# Altium PCB Mother  Board 3D.PcbDoc (part 4 of 4)
Units mil, origin at the board's own origin, x right, y up, seen from the top; angles counter-clockwise.
Board outline 4560 x 3740 mil, 4 copper layers (Signal 1, GND, Power, Signal 2), stack 47.091 mil thick; 315 components, 464 nets, 1669 pads, 719 vias.
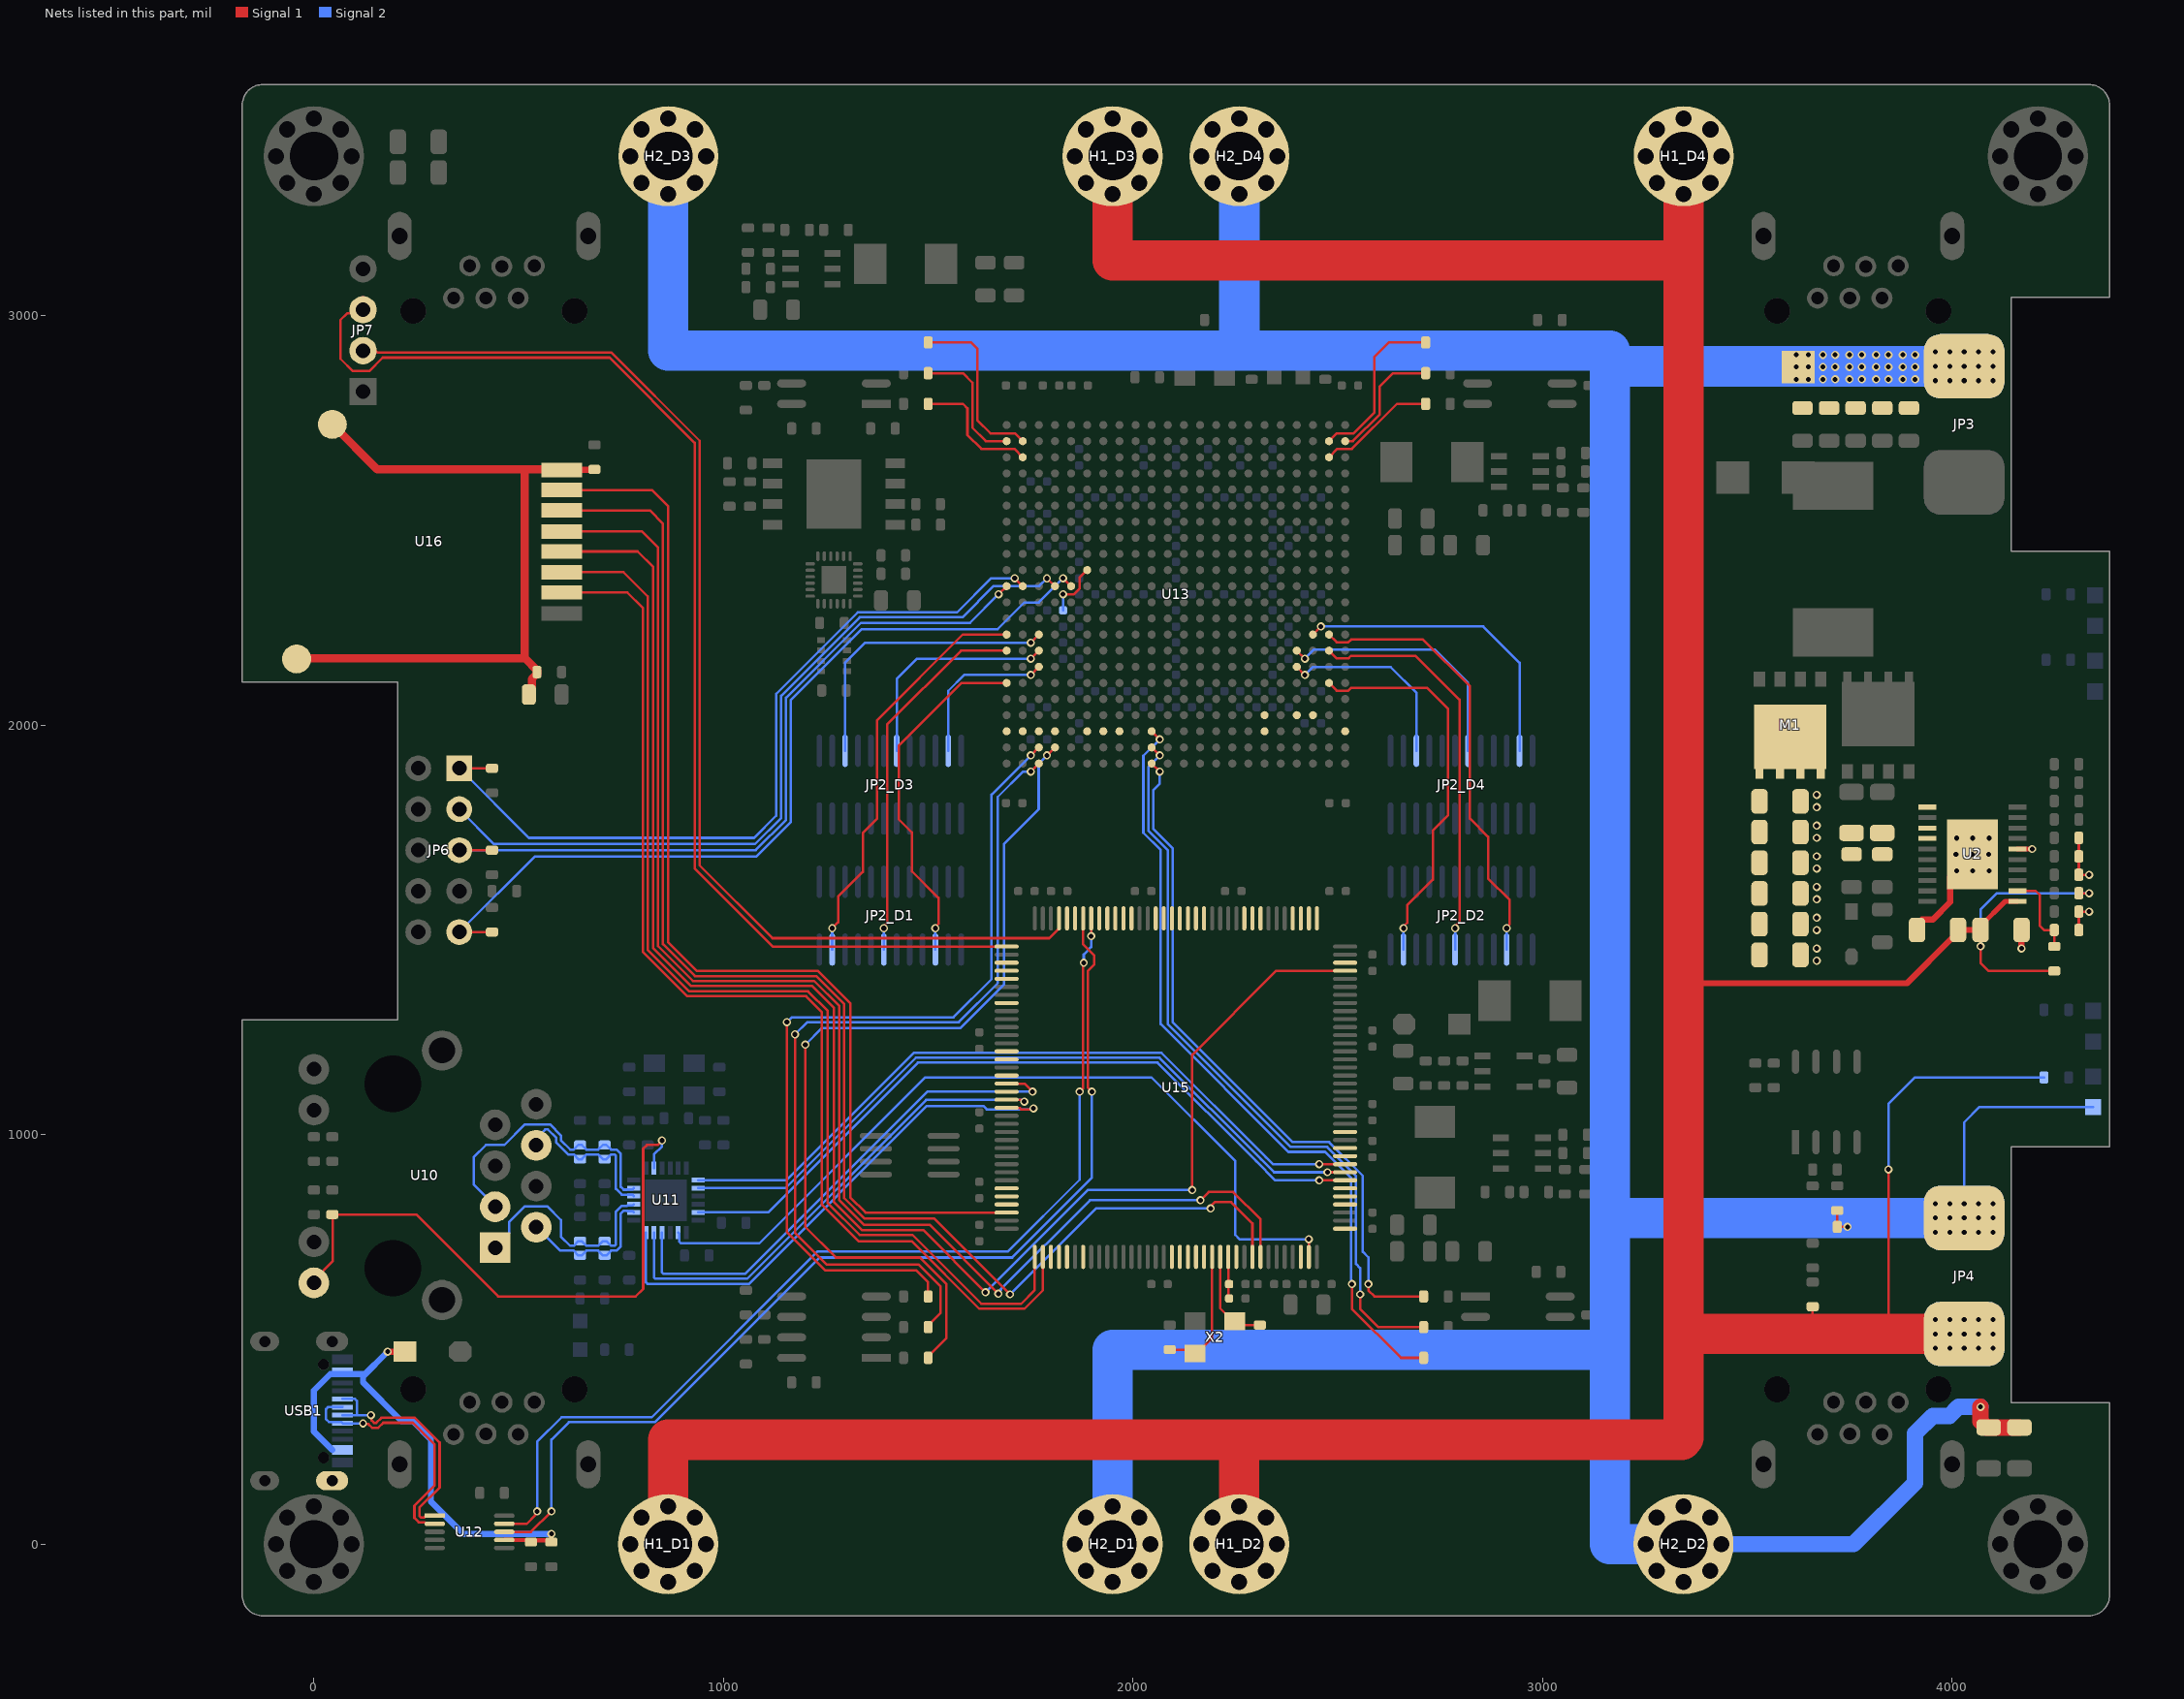
[diagram p6: the nets of this part, all layers, seen from the top]

## Via types
v1: diameter 20, hole 12, Signal 1 to Signal 2, tented both sides, 701 vias
v2: diameter 27.56, hole 27.56, Signal 1 to Signal 2, 10 vias
v3: diameter 20, hole 12, Signal 1 to Signal 2, 8 vias

## Nets (pads, with @x,y where several pads share a name; then routed paths per layer and width w, separated by ;. In a path a pad name is that pad's centre, name@x,y a point inside that pad or via, vN(x,y) a via of type N, cw(c..) or ccw(c..) an arc to the next point about the centre after c; other vN are vias at no path point) (continued)
NetU13_W17: U13.W17
NetU13_W19: U13.W19
NetU13_W20: U13.W20
NetU13_Y1: U13.Y1
NetU13_Y2: U13.Y2
NetU13_Y3: U13.Y3
NetU13_Y4: U13.Y4
NetU13_Y6: U13.Y6
NetU13_Y7: U13.Y7
NetU13_Y8: U13.Y8
NetU13_Y17: U13.Y17
NetU13_Y22: U13.Y22
NetU15_3: U15.3
NetU15_4: U15.4
NetU15_5: U15.5
NetU15_7: U15.7
NetU15_18: U15.18
NetU15_19: U15.19
NetU15_20: U15.20
NetU15_21: U15.21
NetU15_22: U15.22
NetU15_26: U15.26
NetU15_34: U15.34
NetU15_37: U15.37
NetU15_40: U15.40
NetU15_41: U15.41
NetU15_42: U15.42
NetU15_46: U15.46
NetU15_47: U15.47
NetU15_49: U15.49
NetU15_70: U15.70
NetU15_73: U15.73
NetU15_74: U15.74
NetU15_75: U15.75
NetU15_76: U15.76
NetU15_80: U15.80
NetU15_81: U15.81
NetU15_82: U15.82
NetU15_87: U15.87
NetU15_88: U15.88
NetU15_89: U15.89
NetU15_90: U15.90
NetU15_91: U15.91
NetU15_92: U15.92
NetU15_93: U15.93
NetU15_96: U15.96
NetU15_97: U15.97
NetU15_98: U15.98
NetU15_99: U15.99
NetU15_100: U15.100
NetU15_103: U15.103
NetU15_104: U15.104
NetU15_111: U15.111
NetU15_112: U15.112
NetU15_113: U15.113
NetU15_116: U15.116
NetU15_122: U15.122
NetU15_123: U15.123
NetU15_125: U15.125
NetU15_127: U15.127
NetU15_139: U15.139
NetU15_140: U15.140
NetU15_141: U15.141
"NRF CE": U15.2 U16.2 | length 2767.1
  Signal 1 w6: U16.2@605.2,2324.53 765.47,2324.53 803,2287 803,1447.15 912.08,1338.07 1201.93,1338.07 1240,1300 1240,830 1330,740 1460,740 1625,575 1735,575 1780.13,620.13 U15.2@1780.13,701.61
"NRF CSN": U15.1 U16.3 | length 2770.6
  Signal 1 w6: U16.3@605.2,2373.86 756.14,2373.86 815,2315 815,1452.12 917.05,1350.07 1206.9,1350.07 1255,1301.97 1255,833.03 1333.03,755 1461.97,755 1629.97,587 1727,587 1760.44,620.44 U15.1@1760.44,701.61
"NRF IRQ": U15.142 U16.7 | length 2718.7
  Signal 1 w6: U16.7@605.2,2574.34 825.66,2574.34 864.62,2535.38 864.62,2237 864.62,1470.38 935.38,1399.62 1231.29,1399.62 1310,1320.91 1310,846.97 1347.09,809.88 U15.142@1691.54,809.88
"NRF MISO": U15.28 U16.6 | length 3558.2
  Signal 1 w6: U16.6@605.2,2524.77 820.23,2524.77 852.62,2492.38 852.62,1528.16 852.62,1465.41 930.41,1387.62 993.16,1387.62 1226.32,1387.62 1295,1318.94 1295,845 1345,795 1515,795 v1(1700,610) ; v1(2190,820) 2190,825 2200,835 2240,835 2291.94,783.06 U15.28@2291.94,701.61
  Signal 2 w6: v1(1700,610) 1910,820 v1(2190,820)
"NRF MOSI": U15.29 U16.5 | length 3551
  Signal 1 w6: U16.5@605.2,2473.55 801.45,2473.55 840.62,2434.38 840.62,1523.19 840.62,1460.44 925.44,1375.62 988.19,1375.62 1221.35,1375.62 1283,1313.97 1283,840.03 1343.03,780 1503.13,780 v1(1671.56,611.57) ; v1(2165,840) 2185,860 2245,860 2311.62,793.38 U15.29@2311.62,701.61
  Signal 2 w6: v1(1671.56,611.57) 1671.56,615.35 1677.66,621.45 1677.66,622.66 1895,840 v1(2165,840)
"NRF SCK": U15.69 U16.4 | length 4005
  Signal 1 w6: U16.4@605.2,2424.53 790.47,2424.53 828.62,2386.38 828.62,1518.21 828.62,1455.47 920.47,1363.62 983.21,1363.62 1216.38,1363.62 1270,1310 1270,835 1338,767 1487.75,767 v1(1639.87,614.87) ; v1(2145,865) 2145,1195 2350.43,1400.43 U15.69@2518.31,1400.43
  Signal 2 w6: v1(1639.87,614.87) 1890,865 v1(2145,865)
NRF_GND: C145.2 C146.2 R63.1 U16.8 U16.9 U16.10 | length 1825.4
  Signal 1 w15: U16.8@605.2,2623.67 605.87,2624.33 684.33,2624.33 R63.1@685,2625
  Signal 1 w20: U16.9@-35.08,2155 U16.9@-42.17,2162.09 -40.25,2164 515,2164 ; U16.10@45,2735 155,2625 515,2625 ; C145.2@525,2075 532,2082 532,2113 545,2126 C146.2@545,2130 545,2134 515,2164 ; U16.8@605.2,2623.67 603.87,2625 515,2625 ; 515,2164 515,2625
nSTATUS: R56.1 U13.K6 | length 138.2
  Signal 1 w6: v1(1829.41,2320) 1856.06,2320 1869.62,2333.57 1869.62,2360.21 U13.K6@1888.46,2379.06
  Signal 2 w6: R56.1@1829.41,2280.94 v1(1829.41,2320)
OSC_IN: C142.2 U15.23 X2.1 | length 321.3
  Signal 1 w6: C142.2@2090,475 2142,475 X2.1@2151.5,465.5 2155.44,465.5 2193.51,503.57 U15.23@2193.51,701.61
OSC_OUT: C143.2 U15.24 X2.3 | length 239.5
  Signal 1 w6: U15.24@2213.2,701.61 2213.2,575.87 2244.56,544.5 X2.3@2248.5,544.5 2258,535 C143.2@2310,535
P_UVLO: R8.1 R12.1 U2.2 | length 215.1
  Signal 1 w6: U2.2@4160,1595.43 4204.57,1595.43 4215,1585 4215,1510 4225,1500 R12.1@4250,1500 4250,1464 R8.1@4246,1460
PGND: C3.2 C4.2 C5.2 C6.2 C7.2 C10.1 C11.1 C12.2 C13.2 C116.1 CP1.2 CP2.1 CP3.1 CP4.2 CP5.2 CP6.2 CP7.2 CP8.2 H2_D1.1 H2_D2.1 H2_D3.1 H2_D4.1 JP3.1 JP4.1 LED1.K NT1.1 R11.2 R12.2 R13.2 R31.1 R32.1 R64.2 RS1.1 RS2.1 U2.6 U2.11 U2.13 U2.14 U2.21 | length 11421.3
  Signal 1 w6: R32.1@3720,815 R31.1@3720,775 v1(3745,775) ; R12.2@4310,1500 R13.2@4310,1545 v1(4335,1545) ; R11.2@4310,1725 C10.1@4310,1680 C11.1@4310,1635 v1(4335,1635)
  Signal 1 w12: U2.6@4160,1697.8 v1(4196,1697.8)
  Signal 1 w15: CP1.2@3915,1505 3915,1513.65 3927.31,1525.96 3953.65,1525.96 3995.5,1567.81 U2.21@3995.5,1630.5 ; v1(4170,1455) CP2.1@4170,1500
  Signal 1 w40: v3(4070,335) 4070,300 R64.2@4085,285 ; R64.2@4090,285 4100,285 C116.1@4165,285
  Signal 2 w6: v1(4030,831.73) 4030,1030 4067.6,1067.6 LED1.K@4345,1067.6
  Signal 2 w40: H2_D2.1@3437.1,0 3760,0 3910,150 3910,270 3953.19,313.19 3994.05,313.19 4015.86,335 v3(4070,335)
  Signal 2 w98.43: H2_D3.1@865.42,3297.48 865.42,2915 2260,2915 ; H2_D1.1@1950,92.52 1950,475 3165,475 ; H2_D4.1@2260,3297.48 2260,2915 ; 3203.27,2876.73 v1(3960,2876.73) ; H2_D2.1@3344.58,0 H2_D2.1@3252.06,0 3165,0 3165,475 ; v1(3995,2876.73) v1(4030,2876.73) ; v1(4030,796.73) v1(3995,796.73) v1(3960,796.73) 3166.73,796.73 3165,795 ; 2260,2915 3165,2915 3165,2876.73 3165,875 3165,795 ; 3165,475 3165,795
  other v1: 3960,761.73 3995,761.73 4030,761.73 4065,761.73 4100,761.73 4065,796.73 4100,796.73 3960,831.73 3995,831.73 4065,831.73 4100,831.73 3670,1425 3670,1455 3670,1500 3670,1530 3670,1575 3670,1605 4011.21,1644.45 4051.21,1644.45 4091.21,1644.45 3670,1650 3670,1680 4010,1685 4050,1685 4090,1685 4011.21,1724.45 4051.21,1724.45 4091.21,1724.45 3670,1725 3670,1755 3670,1800 3670,1830 3960,2841.73 3995,2841.73 4030,2841.73 4065,2841.73 4100,2841.73 3620,2845 3650,2845 3685,2845 3685,2845 3715,2845 3715,2845 3750,2845 3750,2845 3780,2845 3780,2845 3815,2845 3845,2845 3880,2845 3880,2845 3910,2845 3910,2845 3620,2875 3650,2875 3685,2875 3715,2875 3750,2875 3780,2875 3815,2875 3845,2875 3880,2875 3910,2875 4065,2876.73 4100,2876.73 3620,2905 3650,2905 3685,2905 3715,2905 3750,2905 3780,2905 3815,2905 3845,2905 3880,2905 3910,2905 3960,2911.73 3995,2911.73 4030,2911.73 4065,2911.73 4100,2911.73
"Pos DIR_D1": R3_D1.1 U13.AB3 | length 2142.2
  Signal 1 w6: v1(1175,1245) 1175,760 1252.54,682.46 1477.54,682.46 1530,630 1530,564 1500,534 R3_D1.1@1500,530 ; v1(1750.67,1886.93) U13.AB3@1770.35,1906.61
  Signal 2 w6: v1(1175,1245) 1205,1275 1575,1275 1670,1370 1670,1825 1731.67,1886.67 1750.41,1886.67 v1(1750.67,1886.93)
"Pos DIR_D2": R3_D2.1 U13.AA10 | length 1831
  Signal 1 w6: U13.AA10@2045.94,1945.98 v1(2065.63,1926.3) ; v1(2555,610) 2555,575 2600,530 R3_D2.1@2710,530
  Signal 2 w6: v1(2065.63,1926.3) 2037.62,1898.29 2037.62,1742.38 2085,1695 2085,1270 2385,970 2474.22,970 2545,899.22 2545,684.39 2555,674.39 v1(2555,610)
"Pos DIR_D3": R3_D3.1 U13.B1 | length 324.8
  Signal 1 w6: R3_D3.1@1500,2860 1585,2860 1608,2837 1608,2727 1640.98,2694.02 U13.B1@1691.61,2694.02
"Pos DIR_D4": R3_D4.1 U13.B22 | length 305.2
  Signal 1 w6: U13.B22@2518.39,2694.02 2518.57,2694.2 2537.23,2694.2 2603,2759.97 2603,2828 2635,2860 R3_D4.1@2715,2860
"Pos RXD_D1": R2_D1.1 U13.AA4 | length 2223.2
  Signal 1 w6: v1(1200,1220) 1200,775 1275,700 1480,700 1545,635 1545,504 1500,459 R2_D1.1@1500,455 ; v1(1790.04,1926.3) U13.AA4@1809.72,1945.98
  Signal 2 w6: v1(1200,1220) 1240,1260 1578.13,1260 1685,1366.87 1685,1710 1770,1795 1770,1906.26 v1(1790.04,1926.3)
"Pos RXD_D2": R2_D2.1 U13.AB10 | length 1712.5
  Signal 1 w6: U13.AB10@2045.94,1906.61 v1(2065.63,1886.93) ; v1(2575,635) 2575,620 2590,605 R2_D2.1@2710,605
  Signal 2 w6: v1(2065.63,1886.93) 2065.63,1857.36 2049.62,1841.35 2049.62,1747.35 2097,1699.97 2097,1274.97 2389.97,982 2479.19,982 2561.75,899.45 2561.75,713.87 2575,700.61 v1(2575,635)
"Pos RXD_D3": R2_D3.1 U13.C2 | length 323.1
  Signal 1 w6: R2_D3.1@1500,2785 1585,2785 1596,2774 1596,2709 1630,2675 1710.63,2675 U13.C2@1730.98,2654.65
"Pos RXD_D4": R2_D4.1 U13.B21 | length 415.5
  Signal 1 w6: U13.B21@2479.02,2694.02 2497.86,2712.86 2538.92,2712.86 2590,2763.94 2590,2900 2625,2935 R2_D4.1@2715,2935
"Pos TXD_D1": R5_D1.1 U13.AA3 | length 2100.2
  Signal 1 w6: v1(1155,1275) 1155,763.03 1249.57,668.46 1471.54,668.46 1500,640 R5_D1.1@1500,605 ; v1(1750.67,1926.3) U13.AA3@1770.35,1945.98
  Signal 2 w6: v1(1155,1275) 1167,1287 1562,1287 1655,1380 1655,1830.63 v1(1750.67,1926.3)
"Pos TXD_D2": R5_D2.1 U13.Y10 | length 1923
  Signal 1 w6: U13.Y10@2045.94,1985.35 v1(2065.63,1965.67) ; v1(2535,635) 2535,575 2655,455 R5_D2.1@2710,455
  Signal 2 w6: v1(2065.63,1965.67) 2025.62,1925.66 2025.62,1737.41 2068.03,1695 2068.03,1270 2380.03,958 2469.25,958 2533,894.25 2533,637 v1(2535,635)
"Pos TXD_D3": R5_D3.1 U13.B2 | length 433.3
  Signal 1 w6: R5_D3.1@1500,2935 1605,2935 1620,2920 1620,2745 1652.14,2712.86 1712.14,2712.86 U13.B2@1730.98,2694.02
"Pos TXD_D4": R5_D4.1 U13.C21 | length 290
  Signal 1 w6: U13.C21@2479.02,2654.65 2499.37,2675 2535,2675 2645,2785 R5_D4.1@2715,2785
"RMII CRS DV": U11.11 U15.43 | length 1850
  Signal 1 w6: v1(2454.86,888.62) U15.43@2518.31,888.62
  Signal 2 w6: U11.11@938.74,810.47 1109.41,810.47 1474.94,1176 2060.06,1176 2301,935.06 2347.44,888.62 v1(2454.86,888.62)
"RMII REF CLK": U11.14 U15.35 | length 2042.9
  Signal 1 w6: U15.35@2429.73,701.61 v1(2429.73,744.91)
  Signal 2 w6: U11.14@889.53,761.26 892.43,758.35 892.43,738.51 895.95,735 1088.03,735 1493.03,1140 2045.15,1140 2250,935.15 2250,755 2260.09,744.91 v1(2429.73,744.91)
"RMII RXD0": U11.8 U15.44 | length 1827.3
  Signal 1 w6: v1(2475.02,908.31) U15.44@2518.31,908.31
  Signal 2 w6: U11.8@938.74,869.53 1151.5,869.53 1469.97,1188 2065.03,1188 2313,940.03 2344.72,908.31 v1(2475.02,908.31)
"RMII RXD1": U11.7 U15.45 | length 1821
  Signal 1 w6: v1(2454.86,927.99) U15.45@2518.31,927.99
  Signal 2 w6: U11.7@938.74,889.21 1154.21,889.21 1465,1200 2070,1200 2325,945 2342.01,927.99 v1(2454.86,927.99)
"RMII TXD0": U11.17 U15.128 | length 1243.7
  Signal 1 w6: U15.128@1691.54,1085.47 1692.28,1084.74 1727.32,1084.74 1731.05,1081 v1(1734.84,1081)
  Signal 2 w6: U11.17@830.47,761.26 830.47,651.51 833.99,648 1058,648 1495,1085 1731.33,1085 1731.33,1084.51 v1(1734.84,1081)
"RMII TXD1": U11.18 U15.129 | length 1321.7
  Signal 1 w6: U15.129@1691.54,1065.79 1692.28,1065.05 1723.92,1065.05 1726.97,1062 1755.06,1062 v1(1757.19,1064.13)
  Signal 2 w6: U11.18@810.79,761.26 810.79,639.51 814.3,636 1055,636 1062.97,636 1496.97,1070 1635,1070 1643,1062 1755.06,1062 v1(1757.19,1064.13)
"RMII TXEN": U11.16 U15.126 | length 1264
  Signal 1 w6: U15.126@1691.54,1124.84 1735.31,1124.84 1754.16,1106 v1@1759.1,1106
  Signal 2 w6: U11.16@850.16,761.26 850.16,723.09 850,722.93 850,663.51 853.51,660 1053.03,660 1498.03,1105 1754.84,1105 v1(1755,1105.16)
RXD_N: C44.2 R38.1 U10.6 U11.22 | length 399.6
  Signal 2 w6: U10.6@556.11,980.09 556.11,1004.23 564.88,1013 571.5,1013 591.31,993.19 591.31,981.4 621.02,951.68 634.48,951.68 645.98,940.18 R38.1@649.99,940.18 654.01,940.18 665.51,951.68 694.48,951.68 705.98,940.18 C44.2@709.99,940.18 714.01,940.18 725.51,951.68 734,951.68 737.51,948.17 737.51,867.71 751.54,853.68 765,853.68 765.93,852.75 778.35,852.75 U11.22@781.26,849.84 ; U10.6@559.02,979.27 U10.6@563.29,975.01
RXD_P: C43.2 R37.1 U10.3 U11.23 | length 706.2
  Signal 2 w6: U10.3@442.91,825.83 390,878.74 390,945 420,975 465,975 515,1025 576.47,1025 603.31,998.16 603.31,986.37 625.99,963.68 634.48,963.68 645.98,975.18 R37.1@649.99,975.18 654.01,975.18 665.51,963.68 694.48,963.68 705.98,975.18 C43.2@709.99,975.18 714.01,975.18 725.51,963.68 738.97,963.68 749.51,953.14 749.51,872.68 756.51,865.68 765,865.68 765.93,866.62 778.35,866.62 U11.23@781.26,869.53
SDa_D1: JP2_D1.4 U13.P1 | length 1008.3
  Signal 1 w6: v1(1265.77,1504.23) 1280.46,1518.93 1280.46,1581.88 1340.46,1641.88 1340.46,1736.88 1375.46,1771.88 1375.46,2012.43 1584.6,2221.57 U13.P1@1691.61,2221.57
  Signal 2 w6: JP2_D1.4@1265.77,1452.32 v1(1265.77,1504.23)
SDa_D2: JP2_D2.4 U13.U21 | length 955.9
  Signal 1 w6: U13.U21@2479.02,2103.46 2497.86,2084.62 2526.19,2084.62 2533.03,2091.46 2718.54,2091.46 2770,2040 2770,1780.55 2732.54,1743.09 2732.54,1623.09 2670,1560.55 2670,1517.25 2660.77,1508.02 v1(2660.77,1504.23)
  Signal 2 w6: JP2_D2.4@2660.77,1452.32 v1(2660.77,1504.23)
SDa_D3: JP2_D3.4 U13.T3 | length 392
  Signal 1 w6: v1(1750.67,2123.15) U13.T3@1770.35,2142.83
  Signal 2 w6: JP2_D3.4@1549.23,1937.68 1549.23,2084.23 1588.15,2123.15 v1(1750.67,2123.15)
SDa_D4: JP2_D4.4 U13.P20 | length 764.5
  Signal 1 w6: U13.P20@2439.65,2221.57 v1(2459.33,2241.26)
  Signal 2 w6: v1(2459.33,2241.26) 2855.71,2241.26 2944.23,2152.74 JP2_D4.4@2944.23,1937.68
SDb_D1: JP2_D1.12 U13.R1 | length 919.3
  Signal 1 w6: v1(1391.75,1504.23) 1391.75,1508.02 1400,1516.27 1400,2001.97 1580.23,2182.2 U13.R1@1691.61,2182.2
  Signal 2 w6: JP2_D1.12@1391.75,1452.32 v1(1391.75,1504.23)
SDb_D2: JP2_D2.12 U13.R21 | length 988.2
  Signal 1 w6: U13.R21@2479.02,2182.2 2497.86,2163.36 2526.19,2163.36 2532.83,2170 2690,2170 2797.54,2062.46 2797.54,1518.81 2786.75,1508.02 v1(2786.75,1504.23)
  Signal 2 w6: JP2_D2.12@2786.75,1452.32 v1(2786.75,1504.23)
SDb_D3: JP2_D3.12 U13.R3 | length 551.2
  Signal 1 w6: v1(1750.67,2162.52) U13.R3@1770.35,2182.2
  Signal 2 w6: JP2_D3.12@1423.25,1937.68 1423.25,2113.25 1472.52,2162.52 v1(1750.67,2162.52)
SDb_D4: JP2_D4.12 U13.R19 | length 635.1
  Signal 1 w6: U13.R19@2400.28,2182.2 v1(2419.96,2162.52)
  Signal 2 w6: v1(2419.96,2162.52) 2442.44,2185 2736.97,2185 2818.25,2103.72 JP2_D4.12@2818.25,1937.68
SDc_D1: JP2_D1.20 U13.U1 | length 868
  Signal 1 w6: v1(1517.74,1504.23) 1517.74,1507.74 1525,1515 1525,1578.58 1460.46,1643.12 1460.46,1738.12 1428,1770.58 1428,1949.95 1581.51,2103.46 U13.U1@1691.61,2103.46
  Signal 2 w6: JP2_D1.20@1517.74,1452.32 v1(1517.74,1504.23)
SDc_D2: JP2_D2.20 U13.P21 | length 1088
  Signal 1 w6: U13.P21@2479.02,2221.57 2497.86,2202.73 2526.19,2202.73 2533.03,2209.57 2708.45,2209.57 2823,2095.03 2823,1772 2867.54,1727.46 2867.54,1625.49 2920,1573.03 2920,1514.75 2912.74,1507.48 v1(2912.74,1504.23)
  Signal 2 w6: JP2_D2.20@2912.74,1452.32 v1(2912.74,1504.23)
SDc_D3: JP2_D3.20 U13.P3 | length 717
  Signal 1 w6: v1(1750.67,2201.89) U13.P3@1770.35,2221.57
  Signal 2 w6: JP2_D3.20@1297.26,1937.68 1297.26,2153.39 1345.76,2201.89 v1(1750.67,2201.89)
SDc_D4: JP2_D4.20 U13.T19 | length 475.9
  Signal 1 w6: U13.T19@2400.28,2142.83 v1(2419.96,2123.15)
  Signal 2 w6: v1(2419.96,2123.15) 2438.96,2142.15 2629.82,2142.15 2692.26,2079.71 JP2_D4.20@2692.26,1937.68
SPEED_LED: R34.2 U10.9 U11.2 | length 1506.2
  Signal 1 w6: U10.9@0,640 0,645 46.5,691.5 46.5,803.5 R34.2@45,805 250,805 450,605 785.82,605 804.18,623.35 804.18,965.82 813.35,975 839.22,975 v1(850,985.78)
  Signal 2 w6: U11.2@830.47,918.74 830.47,952.03 850,971.56 v1(850,985.78)
STM32_RST: C144.2 R62.2 U15.25 | length 102.5
  Signal 1 w6: U15.25@2232.88,701.61 2233.62,700.88 2233.62,601.38 C144.2@2235,600
SWCLK: JP7.3 U15.109 | length 3036.8
  Signal 1 w6: JP7.3@120,3045 105,3030 105,3019.2 91.85,3006.05 81.05,3006.05 65,2990 65,2895 95,2865 135,2865 168,2898 722,2898 930,2690 930,1650 1120.51,1459.49 U15.109@1691.54,1459.49
SWDIO: JP7.2 U15.105 | length 2948.2
  Signal 1 w6: JP7.2@120,2945 155,2910 635,2910 726.97,2910 942,2694.97 942,2603 942,1658 1120,1480 1795.72,1480 1819.5,1503.78 U15.105@1819.5,1528.39
TCK: JP6.1 R46.2 U13.L2 | length 1971.9
  Signal 1 w6: JP6.1@355,1895 R46.2@435,1895 ; v1(1711.3,2359.37) U13.L2@1730.98,2339.69
  Signal 2 w6: JP6.1@355,1895 525,1725 1075,1725 1129,1779 1129,2077.03 1327.99,2276.01 1571.01,2276.01 1654.37,2359.37 v1(1711.3,2359.37)
TDI: JP6.9 R51.2 U13.L5 | length 2114.9
  Signal 1 w6: JP6.9@355,1495 R51.2@435,1495 ; v1(1829.41,2359.37) U13.L5@1849.09,2339.69
  Signal 2 w6: JP6.9@355,1495 540,1680 1080.91,1680 1165,1764.09 1165,2062.12 1337.88,2235 1670,2235 1735,2300 1770.04,2300 v1(1829.41,2359.37)
TDO: JP6.3 U13.L4 | length 1941.4
  Signal 1 w6: v1(1790.08,2358.78) U13.L4@1809.76,2339.09
  Signal 2 w6: JP6.3@355,1795 440,1710 1076.97,1710 1141,1774.03 1141,2072.06 1332.96,2264.01 1584.01,2264.01 1660,2340 1771.3,2340 v1(1790.08,2358.78)
TMS: JP6.5 R50.2 U13.L1 | length 1858.2
  Signal 1 w6: JP6.5@355,1695 R50.2@435,1695 ; v1(1671.93,2320) U13.L1@1691.61,2339.69
  Signal 2 w6: JP6.5@355,1695 1078.94,1695 1153,1769.06 1153,2067.09 1335.91,2250 1601.93,2250 v1(1671.93,2320)
TXD_N: C42.2 R36.1 U10.2 U11.20 | length 370.9
  Signal 2 w6: U10.2@542.91,775.83 602.06,716.68 634.48,716.68 645.98,705.18 R36.1@649.99,705.18 654.01,705.18 665.51,716.68 694.48,716.68 705.98,705.18 C42.2@709.99,705.18 714.01,705.18 725.51,716.68 738.97,716.68 749.51,727.23 749.51,807.32 756.51,814.32 765,814.32 765.93,813.38 778.35,813.38 U11.20@781.26,810.47
TXD_P: C41.2 R35.1 U10.1 U11.21 | length 566.8
  Signal 2 w6: U10.1@442.91,725.83 477.41,760.33 477.41,787.41 515,825 570,825 603.31,791.69 603.31,751.37 625.99,728.68 634.48,728.68 645.98,740.18 R35.1@649.99,740.18 654.01,740.18 665.51,728.68 694.48,728.68 705.98,740.18 C41.2@709.99,740.18 714.01,740.18 725.51,728.68 734,728.68 737.51,732.2 737.51,812.29 751.54,826.32 765,826.32 765.93,827.25 778.35,827.25 U11.21@781.26,830.16
"USB EARTH": USB1.1
"USB RXD": U12.9 U15.101 | length 2502.1
  Signal 1 w6: U12.9@465,49.69 519.69,49.69 540.07,70.07 540.07,71.28 545,76.21 v1(545,80) ; v1@1872.5,1107.5 1878,1113 1878,1418 v1(1880,1420) ; v1(1898.24,1485.09) U15.101@1898.24,1528.39
  Signal 2 w6: v1(545,80) 545,250 605,310 825,310 1230,715 1695,715 1870,890 v1(1870,1105) ; v1(1880,1420) 1880,1440 1898.24,1458.24 v1(1898.24,1485.09)
"USB TXD": U12.8 U15.102 | length 2550.5
  Signal 1 w6: U12.8@465,30 530,30 v1(580,80) ; U15.102@1878.55,1528.39 1878.55,1464.93 1905,1438.48 1905,1415 1890,1400 1890,1115 v1(1900,1105)
  Signal 2 w6: v1(580,80) 580,255 623,298 833,298 1235,700 1705,700 1900,895 v1(1900,1105)
USB_5V: C55.1 C56.1 D3.A U12.7 USB1.A4 USB1.A9 USB1.B4 USB1.B9 | length 1288.8
  Signal 1 w10: U12.7@465,10.32 484.77,10.32 485.09,10 525,10 C55.1@530,5 ; C55.1@530,9.36 575.64,9.36 C56.1@580,5 v1(580,25)
  Signal 1 w15: v1(180,470) D3.A@222.5,470
  Signal 2 w15: USB1.A4@45,230 0,275 0,375 40,415 70.08,415 120,415 120,395 214.07,300.93 241.01,300.93 285.77,256.17 285.77,104.23 365,25 v1(580,25) ; 120,410 v1(180,470)
USB_D_N: U12.2 USB1.A7 USB1.B7 | length 623.1
  Signal 1 w6: v1(120,295) 121.83,293.17 133.03,293.17 142.2,284 157.11,284 169.54,296.43 241.6,296.43 270,268.03 295,243.03 295,143.25 245.49,93.73 245.49,64.07 256.03,53.53 270.3,53.53 274.15,49.69 U12.2@295,49.69
  Signal 2 w6: USB1.A7@70.08,334.84 69.92,335 35,335 30,330 30,305 36.62,298.38 67.18,298.38 USB1.B7@70.08,295.47 70.56,295 v1(120,295)
USB_D_P: U12.1 USB1.A6 USB1.B6 | length 593.3
  Signal 1 w6: v1(139.37,315) 141.21,313.16 141.21,301.97 147.17,296 152.14,296 164.57,308.43 246.57,308.43 270,285 307,248 307,138.28 257.49,88.76 257.49,69.04 261,65.53 269.49,65.53 270.83,66.87 292.5,66.87 U12.1@295,69.37
  Signal 2 w6: USB1.B6@70.08,354.53 100.47,354.53 105,350 105,315.16 ; USB1.A6@70.17,315.08 USB1.A6@70.08,315.16 105,315.16 ; v1@139.37,315.16 105,315.16
Vpower: CP1.1 CP2.2 CP3.2 CP4.1 CP5.1 CP6.1 CP7.1 CP8.1 H1_D1.1 H1_D2.1 H1_D3.1 H1_D4.1 JP4.2 M1.D R7.1 R8.2 R29.2 R66.1 U2.1 | length 10687.8
  Signal 1 w6: 3660,513.27 R29.2@3660,580 ; 3845,513.27 v3(3845,915) ; CP2.2@4070,1500 4070,1420 4090,1400 R8.2@4250,1400 ; R7.1@4310,1590 v1(4335,1590)
  Signal 1 w12: CP2.2@4070,1500 4070,1510 4129.84,1569.84 U2.1@4160,1569.84
  Signal 1 w15: 3345,1370 3890,1370 3999.04,1479.04 4002.69,1479.04 4015,1491.35 CP1.1@4015,1500 4060,1500 CP2.2@4060,1508.65
  Signal 1 w98.43: H1_D1.1@865,92.52 865,255 2259.58,255 ; H1_D3.1@1950.42,3297.48 1950.42,3135 3345,3135 ; H1_D2.1@2259.58,92.52 2259.58,255 ; 3340,255 2259.58,255 ; 3345,260 3345,515 ; H1_D4.1@3345,3297.48 3345,3135 ; v1(4030,513.27) v1(3995,513.27) v1(3960,513.27) 3845,513.27 3660,513.27 3346.73,513.27 3345,515 ; 3345,515 3345,1370 3345,3135
  Signal 2 w6: v3(3845,915) 3845,1075 3910,1140 R66.1@4225,1140 ; v1(4070,1460) 4070,1550 4110,1590 v1(4335,1590)
  other v1: 3960,478.27 3995,478.27 4030,478.27 4065,478.27 4100,478.27 4065,513.27 4100,513.27 3960,548.27 3995,548.27 4030,548.27 4065,548.27 4100,548.27
pads on no net: JP1_D1.3 JP1_D1.9 JP1_D1.10 JP1_D2.3 JP1_D2.9 JP1_D2.10 JP1_D3.3 JP1_D3.9 JP1_D3.10 JP1_D4.3 JP1_D4.9 JP1_D4.10 JP6.7 JP6.8 U7.4 U9.2 U9.3 U9.4 U9.5 U9.6 U9.7 U9.11 U9.12 U9.14 U9.15 U9.16 U9.17 U9.19 U9.21 U9.25 U10.7 U11.10 U12.4 U12.5 U12.6 U13.A12 U13.AA11 U13.AA12 U13.AB11 U13.AB12 U13.B11 U13.B12 U13.G1 U13.G21 U13.G22 U13.T1 U13.T2 U13.T21 U13.T22 U15.8 U15.9 U15.110 USB1. USB1.2 USB1.A5 USB1.A8 USB1.A12 USB1.B1 USB1.B5 USB1.B8
copper on no net:
  other v2: 1504.21,867.32 1504.21,1032.68 1198.84,1584.21 1616.16,1584.21 2593.84,1584.21 3011.16,1584.21 1198.84,1805.79 1616.16,1805.79 2593.84,1805.79 3011.16,1805.79

## Polygon pours and split planes (outlines as drawn)
GND on Signal 1 "GND_L01_P045" (solid, remove dead copper, pour order 45): 4385,-175 -175,-175 -175,3565 4385,3565
2V5 on Signal 1 "2V5_L01_P043" (solid, remove dead copper, pour order 43): 1610,3100 1580,3070 1490,3070 1480,3080 1480,3180 1490,3190 1730,3190 1740,3180 1740,3110 1730,3100
no net on Signal 1 "NONET_L01_P042" (solid, remove dead copper, pour order 42): 1595,3135
NetC15_1 on Signal 1 "NETC15_1_L01_P037" (solid, remove dead copper, pour order 37): 1245,3130 1240,3125 1240,3105 1245,3100 1310,3100 1315,3095 1315,3075 1320,3070 1400,3070 1405,3075 1405,3180 1400,3185 1320,3185 1315,3180 1315,3140 1305,3130
5V on Signal 1 "5V_L01_P036" (solid, remove dead copper, pour order 36): 1245,3140 1240,3145 1240,3165 1245,3170 1260,3170 1265,3175 1265,3220 1275,3230 1315,3230 1320,3225 1320,3195 1315,3190 1305,3190 1300,3185 1300,3150 1290,3140
5V on Signal 1 "5V_L01_P035" (solid, remove dead copper, pour order 35): 1045,3045 1035,3035 1035,2995 1045,2985 1100,2985 1110,2995 1110,3035 1100,3045
GND on Signal 1 "GND_L01_P032" (solid, remove dead copper, pour order 32): 3435,2965 3425,2955 3425,2795 3435,2785 3480,2785 3490,2795 3490,2955 3480,2965
5V on Signal 1 "5V_L01_P033" (solid, remove dead copper, pour order 33): 3435,2695 3425,2685 3425,2525 3435,2515 3480,2515 3490,2525 3490,2685 3480,2695
PGND on Signal 1 "PGND_L01_P030" (solid, remove dead copper, pour order 30): 3615,2955 3605,2945 3605,2765 3615,2755 4120,2755 4130,2765 4130,2945 4120,2955
5V_P on Signal 1 "5V_P_L01_P029" (solid, remove dead copper, pour order 29): 3615,2510 3605,2520 3605,2705 3615,2715 4120,2715 4130,2705 4130,2520 4120,2510
NetC2_1 on Signal 1 "NETC2_1_L01_P026" (solid, remove dead copper, pour order 26): 3570,2290 3560,2280 3560,2100 3570,2090 3715,2090 3725,2080 3725,1950 3735,1940 3905,1940 3915,1950 3915,2280 3905,2290
no net on Signal 1 "NONET_L01_P025" (solid, remove dead copper, pour order 25): 4130,2600
PGND on Signal 1 "PGND_L01_P022" (solid, remove dead copper, pour order 22): 3610,1850 3600,1840 3600,1415 3615,1400 3705,1400 3715,1410 3715,1645 3735,1665 3850,1665 3860,1675 3860,1700 3875,1715 3960,1715 3975,1700 3975,1605 3985,1595 4110,1595 4120,1605 4120,1805 4110,1815 3915,1815 3905,1805 3905,1775 3890,1760 3730,1760 3705,1785 3705,1835 3690,1850
Vpower on Signal 1 "VPOWER_L01_P021" (solid, remove dead copper, pour order 21): 3390,2070 3405,2055 3690,2055 3700,2045 3700,1875 3690,1865 3580,1865 3565,1850 3565,1415 3550,1400 3405,1400 3390,1385
NetM2_S on Signal 1 "NETM2_S_L01_P019" (solid, remove dead copper, pour order 19): 3730,1915 3720,1905 3720,1820 3730,1810 3860,1810 3870,1820 3870,1905 3860,1915
NetC14_1 on Signal 1 "NETC14_1_L01_P018" (solid, remove dead copper, pour order 18): 2690,940 2680,950 2680,1070 2690,1080 2785,1080 2795,1070 2795,1005 2830,970 2920,970 2925,965 2925,945 2920,940
3V3 on Signal 1 "3V3_L01_P017" (solid, remove dead copper, pour order 17): 2605,895 2615,905 2785,905 2795,895 2795,825 2785,815 2705,815 2695,805 2695,630 2685,620 2615,620 2605,630
5V on Signal 1 "5V_L01_P006" (solid, remove dead copper, pour order 6): 2840,895 2840,695 2850,685 2890,685 2900,695 2900,895 2910,905 2920,905 2925,910 2925,925 2920,930 2875,930 2870,925
GND on Signal 1 "GND_L01_P008" (solid, remove dead copper, pour order 8): 2700,695 2710,685 2820,685 2830,695 2830,800 2820,810 2710,810 2700,800
5V on Signal 1 "5V_L01_P010" (solid, remove dead copper, pour order 10): 3010,1265 2965,1220 2940,1220 2930,1210 2930,1180 2940,1170 3095,1170 3105,1180 3105,1370 3095,1380 3020,1380 3010,1370
12V on Signal 1 "12V_L01_P013" (solid, remove dead copper, pour order 13): 2625,1175 2635,1165 2730,1165 2735,1170 2735,1375 2725,1385 2635,1385 2625,1375
NetD2_A on Signal 1 "NETD2_A_L01_P016" (solid, remove dead copper, pour order 16): 2835,1180 2830,1185 2830,1230 2820,1240 2770,1240 2760,1250 2760,1295 2770,1305 2825,1305 2835,1315 2835,1375 2845,1385 2920,1385 2930,1375 2930,1280 2920,1270 2885,1270 2880,1265 2880,1185 2875,1180
NetC16_1 on Signal 1 "NETC16_1_L01_P003" (solid, remove dead copper, pour order 3): 2870,2605 2850,2585 2780,2585 2770,2595 2770,2690 2780,2700 2850,2700 2860,2690 2860,2645 2870,2635 2910,2635 2915,2630 2915,2610 2910,2605
5V on Signal 1 "5V_L01_P002" (solid, remove dead copper, pour order 2): 2840,2565 2840,2420 2850,2410 2885,2410 2895,2420 2895,2560 2905,2570 2915,2570 2920,2575 2920,2590 2915,2595 2870,2595 2865,2590
1V2 on Signal 1 "1V2_L01_P001" (solid, remove dead copper, pour order 1): 2600,2360 2610,2350 2680,2350 2690,2360 2690,2685 2675,2700 2610,2700 2600,2690
GND on Signal 2 "GND_L04_P044" (solid, remove dead copper, pour order 44): 4385,-175 -175,-175 -175,3565 4385,3565
3V3 on Signal 2 "3V3_L04_P040" (solid, remove dead copper, pour order 40): 1410,1735 1345,1670 1345,1565 1360,1550 1395,1550 1405,1560 1405,1660 1470,1725 1470,1815 1460,1825 1420,1825 1410,1815
3V3 on Signal 2 "3V3_L04_P034" (solid, remove dead copper, pour order 34): 2805,1735 2740,1670 2740,1565 2755,1550 2790,1550 2800,1560 2800,1660 2865,1725 2865,1815 2855,1825 2815,1825 2805,1815
PGND on Signal 2 "PGND_L04_P024" (solid, remove dead copper, pour order 24): 3210,1385 3225,1400 3705,1400 3715,1410 3715,1825 3690,1850 3225,1850 3210,1865
GND on GND (split plane): -125,3544.9 4334.99,3544.9 4335,3544.9 4335.5,3544.95 4339.69,3544.62 4344.27,3543.52 4348.62,3541.72 4352.63,3539.26 4356.21,3536.21 4359.26,3532.63 4361.72,3528.62 4363.52,3524.27 4364.62,3519.69 4364.95,3515.5 4364.9,3515 4364.9,3065.1 4145,3065.1 4141.08,3064.71 4137.31,3063.57 4133.83,3061.71 4130.79,3059.21 4128.29,3056.17 4126.43,3052.69 4125.29,3048.92 4124.9,3045 4124.9,2425 4125.29,2421.08 4126.43,2417.31 4128.29,2413.83 4130.79,2410.79 4133.83,2408.29 4137.31,2406.43 4141.08,2405.29 4145,2404.9 4364.9,2404.9 4364.9,2014.08 3485,2014.08 3482.65,2013.77 3480.46,2012.86 3478.58,2011.42 3477.14,2009.54 3476.23,2007.35 3475.92,2005 3475.92,1360 3476.23,1357.65 3477.14,1355.46 3478.58,1353.58 3480.46,1352.14 3482.65,1351.23 3485,1350.92 4364.9,1350.92 4364.9,990.1 4145,990.1 4141.08,989.71 4137.31,988.57 4133.83,986.71 4130.79,984.21 4128.29,981.17 4126.43,977.69 4125.29,973.92 4124.9,970 4124.9,345 4125.29,341.08 4126.43,337.31 4128.29,333.83 4130.79,330.79 4133.83,328.29 4137.31,326.43 4141.08,325.29 4145,324.9 4364.9,324.9 4364.9,-125 4364.95,-125.5 4364.62,-129.69 4363.52,-134.27 4361.72,-138.62 4359.26,-142.63 4356.21,-146.21 4352.63,-149.26 4348.62,-151.72 4344.27,-153.52 4339.69,-154.62 4335.51,-154.95 4335,-154.9 -124.99,-154.9 -125,-154.9 -125.5,-154.95 -129.69,-154.62 -134.27,-153.52 -138.62,-151.72 -142.63,-149.26 -146.21,-146.21 -149.26,-142.63 -151.72,-138.62 -153.52,-134.27 -154.62,-129.69 -154.95,-125.5 -154.9,-125 -154.9,1259.9 205,1259.9 208.92,1260.29 212.69,1261.43 216.17,1263.29 219.21,1265.79 221.71,1268.83 223.57,1272.31 224.71,1276.08 225.1,1280 225.1,2105 224.71,2108.92 223.57,2112.69 221.71,2116.17 219.21,2119.21 216.17,2121.71 212.69,2123.57 208.92,2124.71 205,2125.1 -154.9,2125.1 -154.9,3515 -154.95,3515.5 -154.62,3519.69 -153.52,3524.27 -151.72,3528.62 -149.26,3532.63 -146.21,3536.21 -142.63,3539.26 -138.62,3541.72 -134.27,3543.52 -129.69,3544.62 -125.5,3544.95
PGND on GND (split plane): 4364.9,1369.08 3494.08,1369.08 3494.08,1995.92 4364.9,1995.92
5V on Power (split plane): 182 vertices, not listed, extent -154.95,-154.95 4364.95,3544.95
12V on Power (split plane): 2861.94,1648.06 2735,1648.06 2733.83,1647.83 2732.84,1647.16 2732.17,1646.17 2731.94,1645 2731.94,1363.06 2623.06,1363.06 2623.06,1645 2622.83,1646.17 2622.16,1647.16 2621.17,1647.83 2620,1648.06 1343.06,1648.06 1343.06,1741.94 2861.94,1741.94
3V3 on Power (split plane): 166.94,2965 167.17,2963.83 167.84,2962.84 168.83,2962.17 170,2961.94 1011.94,2961.94 1011.94,2690 1012.17,2688.83 1012.84,2687.84 1013.83,2687.17 1015,2686.94 1290,2686.94 1291.17,2687.17 1292.16,2687.84 1292.83,2688.83 1293.06,2690 1293.06,2951.94 1803.73,2951.94 1846.94,2908.73 1846.94,2626.27 1807.84,2587.16 1807.17,2586.17 1806.94,2585 1806.94,2024.72 1807.17,2023.55 1807.84,2022.56 1808.83,2021.9 1810,2021.67 2400.28,2021.67 2401.45,2021.9 2402.44,2022.56 2403.1,2023.55 2403.33,2024.72 2403.33,2416.94 2433.73,2416.94 2502.84,2347.84 2503.83,2347.17 2505,2346.94 2690,2346.94 2691.17,2347.17 2692.16,2347.84 2692.83,2348.83 2693.06,2350 2693.06,2495 2692.83,2496.17 2692.16,2497.16 2691.17,2497.83 2690,2498.06 2403.33,2498.06 2403.33,2615 2403.1,2616.17 2402.44,2617.16 2401.45,2617.83 2400.28,2618.06 1981.27,2618.06 1968.06,2631.27 1968.06,2951.94 2831.94,2951.94 2831.94,2360 2832.17,2358.83 2832.84,2357.84 2833.83,2357.17 2835,2356.94 3201.94,2356.94 3201.94,1258.06 2735,1258.06 2733.83,1257.83 2732.84,1257.16 2732.17,1256.17 2731.94,1255 2731.94,780 2731.94,518.06 1538.06,518.06 1538.06,650 1537.83,651.17 1537.16,652.16 1536.17,652.83 1535,653.06 1020,653.06 1018.83,652.83 1017.84,652.16 1017.17,651.17 1016.94,650 1016.94,443.06 448.06,443.06 448.06,545 447.83,546.17 447.16,547.16 446.17,547.83 445,548.06 -154.9,548.06 -154.9,1259.9 205,1259.9 208.92,1260.29 212.69,1261.43 216.17,1263.29 219.21,1265.79 221.71,1268.83 223.57,1272.31 224.71,1276.08 225.1,1280 225.1,2105 224.71,2108.92 223.57,2112.69 221.71,2116.17 219.21,2119.21 216.17,2121.71 212.69,2123.57 208.92,2124.71 205,2125.1 -154.9,2125.1 -154.9,3241.94 166.94,3241.94
5V_P on Power (split plane): 4364.9,1363.06 3488.06,1363.06 3488.06,2001.94 4364.9,2001.94
2V5 on Power (split plane): 1961.94,3023.73 1961.94,2630 1962.17,2628.83 1962.84,2627.84 1977.84,2612.84 1978.83,2612.17 1980,2611.94 2397.22,2611.94 2397.22,2498.06 2364.34,2498.06 2323.7,2538.7 2322.71,2539.36 2321.54,2539.59 2321.53,2539.59 1888.46,2539.59 1887.29,2539.36 1886.3,2538.7 1885.64,2537.71 1885.41,2536.54 1885.41,2103.46 1885.64,2102.29 1886.3,2101.3 1887.29,2100.64 1888.46,2100.41 1888.47,2100.41 2324.37,2100.41 2325.54,2100.64 2326.53,2101.3 2327.16,2101.93 2327.83,2102.92 2328.06,2104.09 2328.06,2416.94 2397.22,2416.94 2397.22,2027.78 1813.06,2027.78 1813.06,2583.73 1852.16,2622.84 1852.83,2623.83 1853.06,2625 1853.06,2910 1852.83,2911.17 1852.16,2912.16 1807.16,2957.16 1806.17,2957.83 1805,2958.06 1598.06,2958.06 1598.06,3163.73 1621.27,3186.94 1798.73,3186.94
1V2 on Power (split plane): 2360.91,2492.84 2361.9,2492.17 2363.07,2491.94 2686.94,2491.94 2686.94,2353.06 2506.27,2353.06 2437.16,2422.16 2436.17,2422.83 2435,2423.06 2325,2423.06 2323.83,2422.83 2322.84,2422.16 2322.17,2421.17 2321.94,2420 2321.94,2106.52 1891.52,2106.52 1891.52,2533.48 2320.27,2533.48

## Keep-outs
Keep-Out Layer:
  lines w18: -175,-125 ccw(c-125,-125) -125,-175 4335,-175 ccw(c4335,-125) 4385,-125 4385,345 4145,345 4145,970 4385,970 4385,2425 4145,2425 4145,3045 4385,3045 4385,3515 ccw(c4335,3515) 4335,3565 -125,3565 ccw(c-125,3515) -175,3515 -175,2105 205,2105 205,1280 -175,1280 -175,535 -175,-125

## Other copper
Signal 1:
  rectangle: 3945,1015 4370,1345
  rectangle: 3945,2035 4370,2365
  pour cut-out: 3395,985 3395,440 4385,440 4385,985
  pour cut-out: 3395,1370 3395,960 4385,960 4385,1370
  pour cut-out: -175,2780 -175,2105 655,2105 655,2780
  pour cut-out: 3490,2970 3490,2510 3605,2510 3605,2970
Signal 2:
  pour cut-out: 3230,1890 3230,2960 4385,2960 4385,1890
  pour cut-out: 3230,1280 3230,440 4385,440 4385,1280
GND (plane layer: these items are gaps in the copper):
  lines w18: 4385,1360 3485,1360 3485,2005 4385,2005
Power (plane layer: these items are gaps in the copper):
  lines w6: -175,545 445,545 445,440 1020,440 1020,650 1535,650 1535,515 2735,515 2735,780 2735,1255 3205,1255 3205,2360 2835,2360 2835,2955 1965,2955 ; -175,3245 170,3245 170,2965 1015,2965 1015,2690 1290,2690 1290,2955 1555,2955 1805,2955 1850,2910 1850,2625 1810,2585 1810,2024.72 2400.28,2024.72 2400.28,2419.72 ; 1510,2955 1595,2955 1595,3165 1620,3190 1800,3190 1965,3025 1965,2630 1980,2615 2400.28,2615 2400.28,2495.28 ; 4385,1360 3485,1360 3485,2005 4385,2005 ; 1340,1645 2620,1645 2620,1360 2735,1360 2735,1645 2865,1645 2865,1745 1340,1745 1340,1645 ; 1888.47,2103.46 2324.37,2103.46 2325,2104.09 2325,2420 2435,2420 2505,2350 2690,2350 2690,2495 2363.07,2495 2321.54,2536.54 1888.46,2536.54 1888.46,2103.46

## Silkscreen, mask and mechanical layers (free items; w line width, h text height)
Top Solder:
  drawing of 3174 lines, arcs and shapes, not listed
  text "Power by" at 3605,3461.67 h50
  text "C B A" at 1240,3441.98 h150
  text "C B A" at 2634.58,3441.98 h150
  text "HDU" at 3605,3373.04 h90
  text "EEL" at 3600,3310.65 h55
  text "Motor3" at 1085.42,3271.87 h150
  text "Motor4" at 2480,3271.87 h150
  text "Output" at 3995,2248.94 h150
  text "U:5V" at 3995,2146.32 h100
  text "I :6A" at 4010,2071.25 h100
  text "Input" at 3995,1228.94 h150
  text "U:48V" at 3995,1126.32 h100
  text "I :15A" at 4010,1051.25 h100
  text "Motor1" at 1085,26.87 h150
  text "Motor2" at 2479.58,26.87 h150
  text "A B C" at 1235,-138.02 h150
  text "A B C" at 2629.58,-138.02 h150
Bottom Solder:
  lines w98.43: 865.42,3297.48 865.42,2915 2260,2915 ; 1950,92.52 1950,475 3165,475 ; 2260,3297.48 2260,2915 ; 3166.73,796.73 3960,796.73 ; 3203.27,2876.73 3685,2876.73 3715,2876.73 3780,2876.73 3815,2876.73 3880,2876.73 3960,2876.73 ; 3344.58,0 3252.06,0 3165,0 3165,475 ; 2260,2915 3165,2915 3165,875 3165,475

## Text inside footprints (layer, text, board x,y; h text height)
JP6: Bottom Overlay "10" at 285,1425 h40 r90; Bottom Overlay "9" at 385,1425 h40 r90; Bottom Overlay "1" at 365,1995 h40 r90; Bottom Overlay "2" at 275,2005 h40 r90
LOGO1: Top Solder "NTXC" at 3595,-21.96 h90; Top Solder "Designed by" at 3595,66.67 h50; Top Solder "Ver 1.0" at 3590,-84.35 h55